# Altium PCB LimeSDR-Micro_M.2_2280_1v1.PcbDoc (part 4 of 9)
Units mm, origin at the board's own origin, x right, y up, seen from the top; angles counter-clockwise.
Board outline 80 x 22 mm, 8 copper layers (Top, L2, L3, L4, L5, L6, L7, Bottom), stack 0.775 mm thick; 678 components, 389 nets, 2376 pads, 871 vias.
Unrouted connection lines stored in the file: 254.
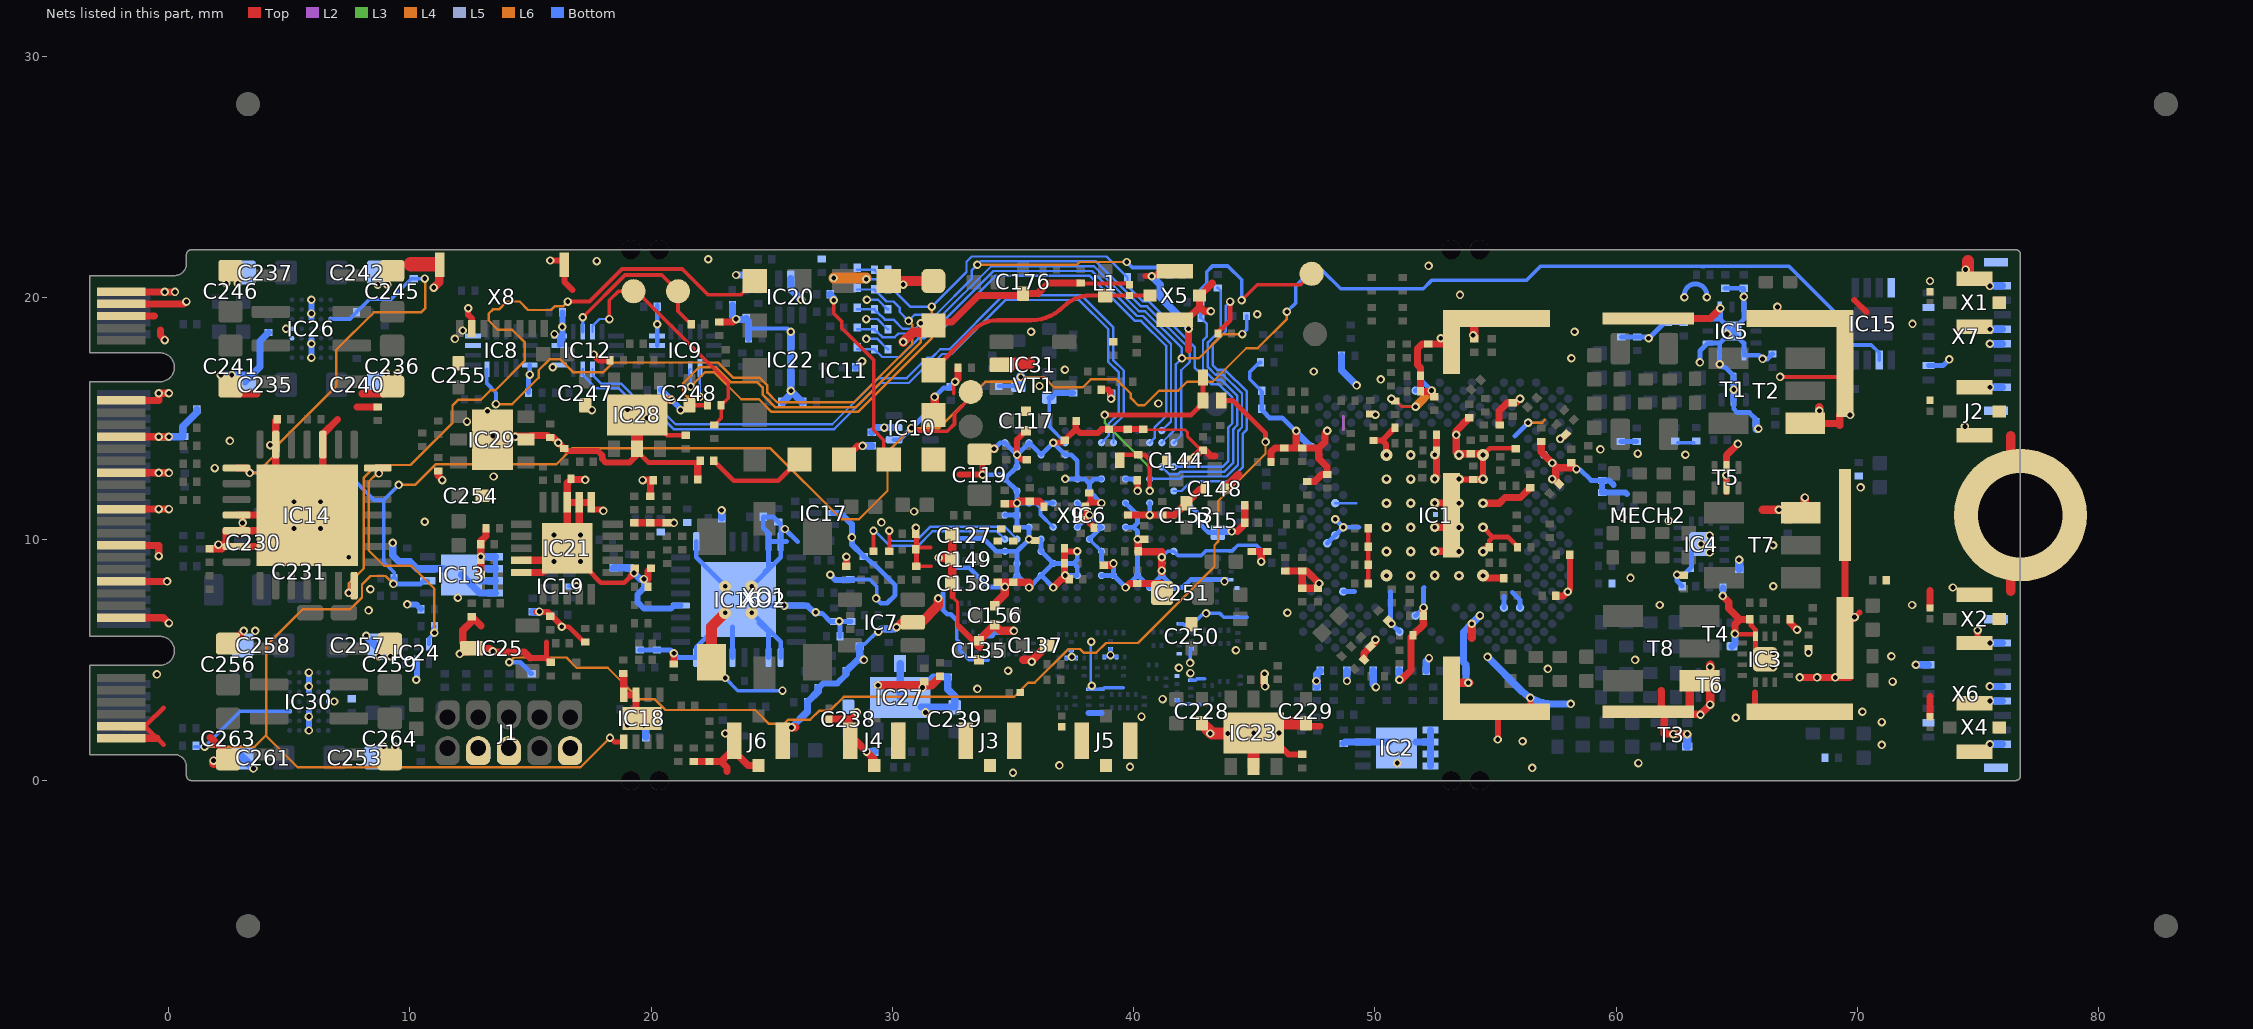
[diagram p10: the nets of this part, all layers, seen from the top]

## Via types
v1: diameter 0.35, hole 0.2, Top to Bottom, tented both sides, 717 vias
v2: diameter 0.35, hole 0.2, L5 to Bottom, tented both sides, 112 vias
v3: diameter 0.4, hole 0.2, Top to Bottom, tented both sides, 30 vias
v4: diameter 0.5, hole 0.2, Top to Bottom, tented both sides, 12 vias

## Nets (pads, with @x,y where several pads share a name; then routed paths per layer and width w, separated by ;. In a path a pad name is that pad's centre, name@x,y a point inside that pad or via, vN(x,y) a via of type N, cw(c..) or ccw(c..) an arc to the next point about the centre after c; other vN are vias at no path point) (continued)
GND: C1.1 C3.2 C4.1 C6.2 C7.1 C9.2 C11.1 C14.2 C16.1 C19.2 C21.1 C24.2 C26.1 C28.2 C29.1 C30.1 C31.2 C32.2 C33.1 C34.1 C35.2 C36.2 C37.2 C38.2 C43.2 C45.2 C46.2 C47.2 C48.2 C49.2 C50.2 C51.2 C52.2 C53.2 C54.2 C55.2 C56.2 C57.1 C58.2 C59.2 C60.2 C61.2 C62.2 C63.2 C64.2 C65.2 C66.2 C67.2 C68.2 C69.2 C70.2 C71.1 C72.2 C73.2 C74.2 C75.2 C76.2 C77.2 C78.1 C79.2 C80.1 C81.1 C82.2 C83.2 C84.2 C85.2 C86.2 C87.2 C88.2 C89.2 C90.2 C91.2 C92.2 C93.2 C94.2 C95.2 C96.2 C97.2 C98.2 C99.2 C100.2 C101.2 C102.2 C103.2 C104.2 C105.2 C106.2 C107.2 C108.2 C109.2 C110.2 C111.2 C115.2 C117.2 C119.1 C120.1 C121.1 C122.1 C123.1 C124.2 C127.1 C128.2 C129.2 C130.1 C131.1 C133.1 C134.2 C135.2 C136.1 C137.1 C138.1 C139.1 C140.1 C141.1 C142.1 C143.1 C144.2 C145.1 C146.1 C147.1 C148.2 C149.1 C150.2 C151.2 C152.1 C153.1 C154.1 C155.1 C156.2 C157.1 C158.1 C159.1 C160.1 C161.1 C162.1 C163.1 C164.2 C165.1 C166.2 C167.2 C168.2 C169.2 C170.2 C171.2 C172.1 C173.2 C174.2 C175.1 C176.1 C177.2 C178.2 C179.2 C180.2 C181.2 C182.1 C183.1 C186.1 C187.2 C188.1 C189.1 C190.1 C193.1 C194.2 C195.2 C196.1 C197.1 C198.2 C199.1 C200.1 C201.1 C202.2 C203.1 C204.2 C205.2 C206.1 C207.1 C208.1 C209.1 C210.2 C213.1 C214.1 C215.2 C216.2 C217.1 C218.1 C221.1 C222.1 C224.1 C225.2 C226.2 C227.1 C228.1 C229.1 C230.1 C231.1 C232.2 C233.2 C234.1 C235.1 C236.1 C237.1 C238.1 C239.1 C240.1 C241.1 C242.1 C243.1 C244.2 C245.1 C246.1 C247.1 C248.1 C249.1 C250.1 C251.1 C252.2 C253.1 C254.1 C255.1 C256.1 C257.1 C258.1 C259.1 C260.1 C261.1 C262.2 C263.1 C264.1 C265.2 C266.2 ESD1.2 ESD2.2 ESD3.2 ESD5.2 ESD6.2 ESD7.2 ESD8.2 ESD9.2 ESD10.2 IC1.AA31 IC1.AF32 IC1.AG29 IC1.AJ7 IC1.AJ9 IC1.AJ19 IC1.AK12 IC1.AK20 IC1.AL13 IC1.AL23 IC1.AM22 IC1.AN25 IC1.B18 IC1.B20 IC1.C7 IC1.C23 IC1.D20 IC1.E25 IC1.F6 IC1.G31 IC1.GND IC1.H2 IC1.J33 IC1.K4 IC1.L3 IC1.N3 IC1.T30 IC1.V30 IC1.W29 IC1.Y30 IC2.1 IC2.2 IC2.3 IC2.4 IC2.7 IC2.PAD IC3.7 IC3.EP IC4.7 IC4.EP IC5.1 IC5.3 IC5.4 IC5.6 IC5.10 IC5.12 IC5.EP IC6.B1 IC6.B3 IC6.B5 IC6.B11 IC6.B13 IC6.B15 IC6.C2 IC6.C4 IC6.C6 IC6.C7 IC6.C9 IC6.C10 IC6.C12 IC6.C14 IC6.D2 IC6.D5 IC6.D6 IC6.D10 IC6.D14 IC6.E1 IC6.E4 IC6.E7 IC6.E9 IC6.E12 IC6.E15 IC6.F3 IC6.F4 IC6.F8 IC6.F12 IC6.G2 IC6.G3 IC6.G5 IC6.G7 IC6.G9 IC6.G11 IC6.H1 IC6.H2 IC6.H8 IC6.H12 IC6.H13 IC6.H14 IC6.H15 IC6.J2 IC6.J3 IC6.J5 IC6.J7 IC6.J9 IC6.J11 IC6.J13 IC6.K2 IC6.K8 IC6.K12 IC6.L1 IC6.L6 IC6.L7 IC6.L9 IC6.L11 IC6.M2 IC6.N2 IC6.N4 IC6.N6 IC6.P1 IC6.P3 IC6.P5 IC7.2 IC8.7 IC8.8 IC8.16 IC9.7 IC9.8 IC10.2 IC11.1 IC11.2 IC11.4 IC11.5 IC11.16 IC12.5 IC12.7 IC12.8 IC13.1 IC13.2 IC13.3 IC13.4 IC13.7 IC13.PAD IC14.3 IC14.6 IC14.11 IC14.12 IC14.13 IC14.PAD IC15.4 IC16.4 IC16.9 IC16.15 IC16.16 IC16.21 IC16.25 IC16.26 IC16.29 IC16.32 IC17.2 IC18.3 IC18.4 IC18.PAD IC19.2 IC20.2 IC21.1 IC21.2 IC21.3 IC21.9 IC21.10 IC21.21 IC22.2 IC22.5 IC23.2 IC23.PAD IC24.2 IC25.3 IC26.A3 IC26.B3 IC26.C1 IC26.C3 IC26.D1 IC26.E3 IC26.F3 IC26.G3 IC27.2 IC27.PAD IC28.2 IC28.PAD IC29.2 IC29.PAD IC30.A3 IC30.B3 IC30.C1 IC30.C3 IC30.D1 IC30.E3 IC30.F3 IC30.G3 IC31.2 J1.3 J1.5 J1.9 J2.2 J3.2 J4.2 J5.2 J6.2 MECH2.1 pad.2@12.84,1.15 pad.2@14.11,1.15 pad.2@16.65,1.15 pad.3 R3.1 R15.1 R17.1 R25.1 R29.2 R32.1 R35.2 R38.2 R40.1 R45.2 R47.1 R52.2 R56.1 R62.2 R63.2 R64.2 R77.1 R85.2 R88.1 R104.2 R105.2 R106.2 R107.2 R108.2 R109.2 R110.2 R111.2 R112.2 R130.2 R131.2 R132.2 R133.2 R134.2 R135.2 R136.2 R137.2 R143.2 R144.1 R146.2 R150.2 R152.2 R163.1 R166.2 R170.2 R172.2 R181.1 R184.2 R185.2 R186.2 R199.2 R200.2 R203.2 R216.2 R219.2 R224.2 T1.2 T1.5 T2.3 T3.1 T4.1 T5.2 T5.5 T6.2 T6.5 T7.1 T8.3 X1.2 X2.2 X4.2 X5.2 X6.1 X6.4 X6.7 X6.9 X6.12 X6.15 X6.MP1 X6.MP2 X7.1 X7.4 X7.7 X7.9 X7.12 X7.15 X7.MP1 X7.MP2 X8.7 X8.MECH X9.MOUNTING-HOLE X9.P1 X9.P3 X9.P21 X9.P27 X9.P33 X9.P39 X9.P45 X9.P51 X9.P57 X9.P71 X9.P73 X9.P75 XO1.2 XO2.2 | length 519
  Top w0.11: C101.2@50.841,15.73 50.866,15.73 51.102,15.494 51.68,15.494 v1(51.683,15.491)
  Top w0.12: C145.1@40.403,14.56 40.428,14.535 42.132,14.535 42.226,14.441 42.226,14.27 C115.2@42.806,13.69
  Top w0.15: C194.2@30.975,9.655 31.595,9.655 ; R88.1@31,8.88 31.62,8.88 ; 32.486,7.62 32.716,7.39 32.716,6.45 ; 32.55,16.025 v1@32.55,16.453
  Top w0.18: C167.2@37.8,20.6 ESD5.2@39.872,20.6 ; v1@66.741,16.675 v1(66.791,16.725) MECH2.1@69.666,16.725
  Top w0.2: X9.P3@-1.95,2.25 -1.875,2.325 -0.917,2.325 ; X9.P3@-1.875,2.175 -0.917,2.175 ; -0.892,2.175 -0.2,1.483 ; -0.892,2.325 -0.2,3.017 ; C256.1@2.475,5.675 C256.1@2.6,5.675 ; R181.1@12.897,8.678 12.912,8.693 ; 15.674,5.075 15.674,5.747 ; v1(16.3,6.375) 16.592,6.375 17.177,5.79 17.225,5.79 C225.2@17.275,5.74 ; IC21.21@17.375,8.75 17.925,8.2 18.887,8.2 19.162,8.475 19.175,8.475 ; IC28.2@19.425,13.65 19.9,13.175 C174.2@21.99,13.175 ; IC28.PAD@20.2,14.775 20.665,14.31 C249.1@21.318,14.31 ; C248.1@21.673,15.55 C169.2@22.345,15.55 ; J4.2@28.25,1.65 28.25,2.55 v1(28.525,2.825) ; IC7.2@30.845,6.55 IC7.2@31.2,6.55 ; R88.1@31,8.88 C195.2@31,10.225 ; C62.2@49.723,8.165 C61.2@49.723,8.935 C64.2@49.723,9.69 C63.2@49.723,10.46 ; v3(54.48,10.49) 54.88,10.09 ; v4@54.538,13.547 54.76,13.77 55.813,13.77 C80.1@55.838,13.745 ; C78.1@54.736,9.675 54.736,9.945 54.88,10.09 ; C86.2@55.906,9.675 55.906,9.7 55.856,9.75 55.516,10.09 54.88,10.09 ; v1@64.916,6.064 IC3.7@65.766,6.064 ; C46.2@65.536,6.675 65.586,6.625 65.586,6.43 65.766,6.25 IC3.7@65.766,6.064 ; IC3.EP@65.766,5.375 IC3.7@65.766,5.977 IC3.7@65.766,6.064
  Top w0.25: X8.MECH@11.17,21.3 X8.MECH@11.232,21.362 ; v1(12.425,19.575) 12.425,19.3 12.575,19.15 X8.7@12.575,18.725 ; C208.1@13.165,10.45 13.165,10.475 C208.1@13.19,10.5 ; 15,5.075 15.674,5.075 ; 15.225,6.975 15.739,6.975 16.3,6.414 v1(16.3,6.375) ; v1(15.825,21.55) X8.MECH@16.405,21.55 ; v4(15.975,10.175) IC21.21@16.525,9.625 ; R172.2@16.4,13.76 16.425,13.76 16.535,13.65 17.803,13.65 17.98,13.473 17.98,13.327 18.132,13.175 19.1,13.175 19.425,13.5 IC28.2@19.425,13.75 ; X8.MECH@16.405,21.375 16.418,21.362 16.418,20.657 16.75,20.325 ; IC21.1@17.525,11.525 17.525,11.25 17.55,11.225 17.948,11.225 17.998,11.175 v1(18.025,11.175) ; C158.1@32.391,8.275 C158.1@32.491,8.175 ; 32.486,7.62 C158.1@32.486,8.175 ; 32.766,6.375 33.641,5.5 ; 32.775,12.675 v1(33.741,12.675) 33.741,13.4 C119.1@33.616,13.525 ; C156.2@34.241,7.25 C156.2@34.241,7.3 ; C117.2@35.541,14.5 35.166,14.125 v1(35.167,13.5) v1(35.167,13.5) 35.372,13.295 C123.1@35.566,13.295 ; v1(36.667,14) 37.011,14 37.116,14.105 C122.1@37.141,14.105 37.166,14.105 37.191,14.13 37.191,14.155 37.601,14.565 37.601,14.88 C121.1@37.621,14.9 ; C143.1@37.136,9.495 37.161,9.52 37.166,9.52 37.186,9.5 v1(37.667,9.5) ; C121.1@37.646,14.95 37.621,14.925 C121.1@37.621,14.9 ; C139.1@37.996,11.35 38.165,11.519 38.216,11.519 ; C139.1@38.021,11.325 38.021,11.173 38.087,11.107 38.042,11.062 38.042,11.006 v1@38.036,11 ; C131.1@38.166,11.92 38.191,11.92 38.216,11.895 38.216,11.519 ; v1(38.167,11) 38.036,10.869 ; C142.1@38.361,10.475 38.036,10.8 38.036,10.869 ; R224.2@38.655,16.2 38.95,16.2 39.059,16.091 v1@39.059,15.823 ; v1@38.694,11.5 v1(38.667,11.5) 38.648,11.519 38.216,11.519 ; v1(40.167,12) C130.1@40.167,12.376 ; C145.1@40.403,14.56 C146.1@39.753,14.56 C147.1@38.978,14.56 38.676,14.56 38.516,14.4 37.781,14.4 37.621,14.56 C121.1@37.621,14.9 ; 40.485,20.9 40.875,20.9 X5.2@41.075,21.1 ; IC23.PAD@45.875,1.625 46.415,1.085 C234.1@46.995,1.085 ; 46.675,2.25 47.745,2.25 ; C54.2@49.94,14.091 50.301,14.091 ; v4(50.48,13.49) 50.461,13.51 50.461,13.931 50.301,14.091 ; C71.1@50.836,14.625 50.836,14.6 50.811,14.575 50.786,14.575 50.301,14.091 ; MECH2.1@53.48,12.47 R35.2@54.066,12.47 ; v3(54.48,12.49) v4(54.48,13.49) ; v1(55.091,1.7) MECH2.1@55.091,2.652 ; MECH2.1@56.441,2.85 v1(56.441,3.425) ; v1(57.991,7.825) 58.091,7.925 58.091,9.305 C106.2@58.046,9.35 ; MECH2.1@65.75,3.075 65.75,3.65 ; pad.3@69.672,6.556 70.079,6.963 ; 69.862,19.913 70.375,19.4 ; X2.2@74.975,5.65 v1(74.975,6.225) ; 38.036,10.869 v1@38.036,11 ; 38.036,10.869 37.947,10.78 37.841,10.78 C162.1@37.816,10.805 37.841,10.805 v1@38.036,11
  Top w0.3: X9.P1@-1.95,1.75 -0.467,1.75 ; X9.P21@-1.95,6.75 -0.2,6.75 v1(0.025,6.525) ; X9.P27@-1.95,8.25 v1(-0.05,8.25) ; X9.P33@-1.95,9.75 -1.942,9.742 -0.4,9.742 v1(-0.4,9.3) ; X9.P39@-1.95,11.25 v1(0.025,11.25) ; X9.P45@-1.95,12.75 v1(0.025,12.75) ; X9.P51@-1.95,14.25 v1(-0.4,14.25) v1(0.025,14.25) ; X9.P57@-1.95,15.75 -0.4,15.75 v1(-0.4,16.05) v1(0.025,16.05) ; X9.P71@-1.95,19.25 X9.P71@-1.925,19.225 ; X9.P73@-1.95,19.75 0.65,19.75 v1(0.75,19.85) ; X9.P75@-1.95,20.25 v1(0.275,20.25) ; X9.P71@-1.925,19.25 -0.575,19.25 ; -0.325,18.675 -0.325,18.438 -0.15,18.263 v1(-0.15,18.25) ; C178.2@1.705,9.61 2.21,9.61 2.3,9.7 IC14.13@2.825,9.7 IC14.PAD@3.755,9.7 ; 1.736,1.789 C263.1@2.386,1.139 ; v1(2.075,9.775) 2.4,9.775 IC14.12@2.4,10.275 ; IC14.12@2.4,10.35 IC14.12@2.825,10.35 IC14.PAD@3.755,10.35 ; C256.1@2.6,5.675 v1(3.125,6.2) ; C241.1@2.75,16.025 3.675,16.025 ; IC14.11@2.825,11 IC14.PAD@3.755,11 ; IC14.12@3.075,10.35 IC14.11@3.075,11 ; IC14.PAD@4.45,12.995 IC14.6@4.45,13.925 4.45,14.905 C179.2@4.515,14.97 ; IC14.PAD@6.4,12.995 6.4,14.35 7.013,14.962 ; 7.827,15.48 R146.2@8.675,15.48 ; 8.02,16.025 C236.1@8.95,16.025 ; R219.2@11.175,12.83 11.175,12.639 11.35,12.464 v1(11.35,12.45) ; v1(12.075,5.25) 12.15,5.325 12.426,5.325 IC25.3@12.576,5.475 13.325,5.475 13.475,5.325 14.75,5.325 15,5.075 ; IC25.3@12.449,5.475 12.2,5.724 12.2,6.226 12.58,6.606 C213.1@12.58,6.79 12.96,6.41 ; R181.1@12.95,8.655 12.945,8.655 C209.1@12.945,9.15 C207.1@12.945,9.8 12.945,9.919 13.165,10.139 C208.1@13.165,10.45 ; IC21.10@14.625,8.625 15.525,8.625 v4(15.975,9.075) ; IC21.9@14.625,9.125 IC21.21@15.975,9.125 ; IC29.2@15,14.3 15.715,14.3 15.8,14.215 C260.1@15.825,14.215 15.945,14.215 16.375,13.785 16.375,13.76 R172.2@16.4,13.76 ; 15.674,5.075 C233.2@15.851,4.898 ; IC21.21@16.525,10.175 IC21.3@16.525,11.525 ; C221.1@16.68,12.5 C221.1@16.68,12.475 ; IC21.21@17.025,10.175 IC21.2@17.025,11.525 ; v1@17.275,12.475 C221.1@16.68,12.475 ; IC21.1@17.525,11.525 IC21.2@17.025,11.525 ; v1(17.625,17.65) 17.85,17.425 R216.2@18.305,17.425 ; R163.1@18.875,4.44 IC18.4@18.875,3.55 IC18.3@19.375,3.55 ; 19.175,8.475 v1(19.3,8.6) ; R184.2@19.3,10.68 20.945,10.68 v1(20.95,10.675) ; IC18.3@19.375,3.5 19.375,2.45 19.45,2.375 IC18.PAD@19.625,2.375 ; v1(19.65,12.45) 19.975,12.45 C224.1@19.975,11.78 ; 19.88,8.35 19.88,8.675 C210.2@20,8.795 ; C205.2@20.95,4.851 v1(20.95,5.275) ; R166.2@21.77,0.785 22.91,0.785 ; C222.1@21.935,12.475 21.935,13.115 22.045,13.225 C174.2@22.045,13.25 ; C170.2@22.825,19.005 23.391,19.005 23.486,19.1 v1@23.5,19.1 ; 23.15,0.375 23.15,0.545 22.91,0.785 ; J6.2@23.45,1.325 J6.2@23.45,1.65 ; J6.2@24.45,0.625 24.025,0.625 23.388,1.263 22.91,0.785 ; ESD8.2@27.35,2.55 28.225,2.55 ; R77.1@28.095,8.885 28.098,8.885 28.098,9.273 v1(28.1,9.275) ; J4.2@28.25,1.65 28.48,1.65 29.25,0.88 J4.2@29.25,0.646 ; IC11.2@31.7,18.85 31.849,18.999 32.474,18.999 33.575,20.1 35.34,20.1 C176.1@35.42,20.18 36.03,20.18 36.47,20.62 C167.2@37.8,20.62 ; v1(32.6,16.525) 32.72,16.645 C265.2@32.72,17.1 ; C159.1@34.366,8.22 C157.1@35.016,8.22 35.666,8.22 ; C120.1@34.666,11.47 35.137,11.47 v1(35.167,11.5) 35.237,11.57 C124.2@35.691,11.57 36.091,11.57 C141.1@36.286,11.375 ; v1(36.667,8) 37.017,8.35 C138.1@37.336,8.35 ; v1@37.136,8.444 R104.2@37.136,8.925 ; R104.2@37.136,9 C143.1@37.136,9.495 ; C151.2@38.766,8.92 39.087,8.92 v1(39.167,9) ; v1(39.667,8) 39.837,8.17 C251.1@41.167,8.17 ; C155.1@39.766,11 v1(40.667,11) C140.1@41.191,11 41.691,11 42.041,11.35 42.091,11.35 42.191,11.45 C153.1@42.191,11.5 42.191,11.55 42.291,11.65 42.341,11.65 42.741,12.05 42.916,12.05 C148.2@42.966,12.1 ; C150.2@40.191,9.48 v1@40.191,9.995 ; C150.2@40.291,9.48 41.167,9.48 v1@41.167,8.625 ; C144.2@42.166,13.275 42.391,13.275 42.806,13.69 C115.2@42.875,13.69 42.96,13.69 43.2,13.45 43.375,13.45 ; 42.275,17.845 42.275,19.175 42.664,19.564 ; v1(43.2,19.45) 42.925,19.45 42.725,19.65 X5.2@42.725,20.1 42.725,20.075 43.254,20.604 ; 44.291,10.325 44.601,10.636 C95.2@44.601,10.691 C94.2@44.601,11.408 ; C97.2@44.891,9.49 C96.2@45.546,9.49 ; v1(45.291,9.075) 45.291,9.412 ; v1@45.41,4.425 45.41,3.94 v1(45.45,3.9) ; R25.1@45.696,13.2 45.696,13.621 45.854,13.779 C59.2@46.246,13.779 C60.2@46.816,13.779 ; C91.2@46.291,8.681 C90.2@46.991,8.681 47.172,8.681 v1(47.687,8.165) 47.489,7.967 C98.2@46.991,7.967 C90.2@46.991,8.671 ; v1(46.741,14.487) 46.741,13.854 C60.2@46.816,13.779 ; C53.2@47.201,12.388 47.504,12.388 47.796,12.68 C52.2@48.016,12.68 48.016,13 47.67,13.346 47.67,13.779 ; v1(48.02,14.492) 48.02,14.479 47.928,14.387 47.928,14.037 47.67,13.779 ; C110.2@49.551,5.01 49.551,5.29 C108.2@49.814,5.552 50.018,5.756 v1(50.018,5.834) ; C72.2@50.539,6.645 v1(50.684,6.5) ; v1@51.091,4.175 51.491,4.575 51.491,5.939 C104.2@51.577,6.025 51.577,6.05 51.602,6.05 52.002,6.45 C58.2@52.002,6.825 v1@52.002,7.138 ; C103.2@52.466,15.905 52.246,16.125 C83.2@51.885,16.125 C84.2@51.885,16.775 51.885,17.106 51.766,17.225 51.766,17.9 51.951,18.085 C55.2@52.216,18.085 MECH2.1@53.175,18.085 ; v3(52.48,9.5) MECH2.1@52.905,9.5 ; v3(52.48,10.5) MECH2.1@52.905,10.5 ; v3(52.48,11.5) MECH2.1@52.905,11.5 ; v3(52.48,12.5) v3@52.576,12.596 ; v3@52.551,12.596 C70.2@52.551,13.678 C69.2@52.551,14.33 ; v3(53.48,13.49) 53.366,13.605 v1(53.366,14.325) 53.366,14.486 C102.2@53.911,15.031 ; v3@53.48,13.545 C111.2@53.966,13.545 v4@54.48,13.545 ; R35.2@54.066,12.47 v3@54.48,12.47 ; v4(54.48,8.49) 54.58,8.39 C85.2@55.333,8.39 ; v3(54.48,9.49) 54.665,9.675 C78.1@54.736,9.675 ; v3(54.48,11.49) 55.156,11.49 55.391,11.725 56.028,11.725 56.093,11.79 56.097,11.79 C57.1@56.44,12.133 ; C109.2@55.141,14.73 55.141,15.3 55.496,15.655 C67.2@55.716,15.655 55.83,15.655 55.999,15.824 v1(56.012,15.824) ; C65.2@56.891,14.045 56.891,13.614 v1(57.344,13.16) 57.491,13.014 57.491,12.433 C66.2@57.636,12.288 ; C77.2@57.496,7.65 57.816,7.65 v1(57.991,7.825) ; 57.616,12.964 58.141,12.964 ; v1@57.714,14.152 C100.2@57.914,14.352 ; C79.2@58.141,13.12 v1(58.353,12.908) ; MECH2.1@61.325,19.15 63.891,19.15 v1(64.316,19.575) ; MECH2.1@61.866,2.975 61.866,3.725 ; MECH2.1@61.991,2.675 61.991,1.925 v1(62.366,1.925) v1(62.941,1.925) ; MECH2.1@63.066,2.75 v1@63.466,2.75 ; v1(63.491,2.725) 63.466,2.725 v1(63.891,3.15) ; v1(64.416,7.65) 64.666,7.4 64.666,7.125 65.116,6.675 ; T5.5@64.566,11.975 T5.5@64.566,12.125 v1(64.566,12.65) T5.2@64.566,12.975 64.566,13.475 v1(65.041,13.95) ; v1(64.916,6.075) 64.916,6.475 65.116,6.675 ; C46.2@65.536,6.675 65.116,6.675 ; C47.2@67.196,6.675 67.196,6.545 v1(67.491,6.25) ; v1@67.625,4.275 pad.3@69.675,4.275 ; v1(67.966,5.3) C50.2@67.966,5.47 ; 68.691,14.8 69.116,14.8 ; 69.266,14.713 MECH2.1@69.266,15.137 ; MECH2.1@69.475,4.725 MECH2.1@69.475,11 ; ESD3.2@73,2.65 73,3.475 ; ESD2.2@73,7.15 73,7.875 ; IC21.3@16.525,11.525 16.525,12.32 C221.1@16.68,12.475 ; IC21.3@16.525,11.525 IC21.2@17.025,11.525 ; C60.2@46.816,13.779 C60.2@46.98,13.779 47.67,13.779
  Top w0.35: v1(4.225,13.9) v1@4.286,13.9 ; v1(11,20.425) 11.232,20.657 X8.MECH@11.232,21.362 ; IC29.PAD@14.218,14.25 IC29.2@14.933,14.25 ; IC28.PAD@20.178,15.775 v1(20.85,15.775) ; v1(23.075,1.95) J6.2@23.375,1.95 ; J6.2@25.525,2.2 v1(25.825,2.2) v1@25.975,2.2 ; v1(29.4,3.95) 31.63,3.95 C134.2@31.975,4.295 ; v1(30.175,6.35) 30.375,6.55 IC7.2@30.845,6.55 ; IC11.4@31.7,15.15 31.75,15.2 v1(31.75,15.9) ; v1(31.925,9.225) C149.1@32.6,9.225 ; C158.1@32.486,8.175 C149.1@32.486,9.05 ; C149.1@32.491,9.175 C127.1@32.491,10.175 ; 33.591,5.575 C135.2@33.591,5.8 C156.2@34.241,6.45 34.491,6.2 v1(35.041,6.2) ; C119.1@33.685,13.75 v1(34.216,13.75) ; C156.2@34.241,7.3 34.667,7.726 v1(34.667,8.025) ; 35.425,5 35.816,5 C137.1@36.416,5.6 ; v1(35.667,8) 35.667,8.195 ; C148.2@43.766,12.1 44.345,12.68 ; MECH2.1@53.302,3.952 53.4,4.05 v1(53.866,4.05) v1@53.916,4.05 ; 54.014,5.925 v1(54.014,6.5) ; C68.2@54.116,18.33 MECH2.1@54.116,19.225 ; MECH2.1@63.041,3.05 T8.3@63.041,3.825 ; v1@63.891,3.2 v1(63.891,4.7) v1@63.891,4.8 ; 66.069,11.225 v1(66.741,11.225) 67.514,11.225 T7.1@67.644,11.095 67.816,11.267 v1(67.816,11.725) ; MECH2.1@66.675,19.462 v1(66.675,19.625) ; T2.3@68.416,15.192 v1(68.416,15.325) v1@68.416,15.475
  Top w0.4: v1@1.875,0.729 v1@1.875,0.8 ; IC11.16@29.897,20.7 IC11.1@31.7,20.7 ; v1(30.45,18.175) 30.85,18.575 31.425,18.575 IC11.2@31.7,18.85 ; IC7.2@31.2,6.55 31.9,7.25 v1@31.9,7.5 ; 76.35,7.852 X9.MOUNTING-HOLE@76.35,10.6 ; 76.35,14.275 76.35,11.527 X9.MOUNTING-HOLE@76.75,11.127
  Top w0.45: XO1.2@22.5,4.9 22.5,6.375 v4(23.075,6.95)
  Top w0.5: IC28.2@19.425,13.75 IC28.PAD@19.425,15.023 ; IC31.2@34.525,17.275 35.675,17.275 ; C228.1@42.825,2.375 43.25,1.95 IC23.PAD@45.775,1.95 ; IC23.2@44.975,0.575 IC23.PAD@44.975,1.176 ; IC23.PAD@45.575,2.275 45.675,2.375 C229.1@47.14,2.375 ; X1.2@74.575,20.775 74.575,21.525
  Top w0.6: 10.05,21.4 X8.MECH@11.12,21.4
  L2 w0.11: 48.686,14.545 48.686,15.093
  L4 w0.11: 48.686,14.545 48.686,15.093 ; 51.136,15.491 v1(51.683,15.491) ; v1@56.46,14.825 56.931,14.825
  L4 w0.35: v1(51.683,15.491) v1(52.349,16.157)
  L5 w0.11: 48.686,14.545 48.686,15.093
  L6 w0.1: v1(56.345,14.825) 56.916,14.825 57.041,14.95
  L6 w0.45: v2(27.575,20.825) v1@28.92,20.825
  Bottom w0.1: v1(28.92,18.3) 29.382,18.3 29.807,17.875 R137.2@29.825,17.875 ; v1(28.92,19.125) 29.382,19.125 29.807,18.7 R132.2@29.825,18.7 ; v1(28.92,20.775) 29.382,20.775 29.807,20.35 R131.2@29.825,20.35 ; v1(28.945,19.925) 29.407,19.925 29.807,19.525 R133.2@29.825,19.525 ; v1@38.226,3.925 38.226,5.735 v1(38.241,5.75)
  Bottom w0.11: IC1.T30@48.353,11.495 49.221,11.495
  Bottom w0.15: IC30.D1@6.625,3.275 v1(6.875,3.275) ; C201.1@18.35,8.74 18.425,8.815 C201.1@18.45,8.815 ; v1(23.075,4.25) 23.6,3.725 v1(25.45,3.725) ; 24.045,18.675 24.104,18.734 25.655,18.734 v1(25.789,18.6) ; C197.1@28.35,8.33 29.065,8.33 29.35,8.045 29.35,7.575 v1(29.325,7.55) ; C187.2@28.65,5.57 28.725,5.645 28.85,5.645 v1@29.403,6.197 ; 32.666,6.64 32.666,5.85 32.796,5.72 C11.1@32.796,5.555 32.796,5.392 33.178,5.01 R32.1@33.491,5.01 ; R32.1@33.566,4.985 33.976,4.985 ; v1(34.667,8.025) IC6.C2@35.154,8.513 ; 36.141,11.35 36.141,11.026 IC6.G5@36.667,10.5 ; C1.1@37.206,5.075 C3.2@37.626,5.075 ; v1@37.416,5.148 R3.1@37.416,5.41 ; C16.1@38.141,3.785 R40.1@38.691,3.785 38.723,3.785 38.786,3.847 39.573,3.847 ; IC6.F8@38.167,10 IC6.E9@38.667,9.5 ; v1(38.167,11) IC6.G9@38.667,10.5 ; C6.2@38.781,5.125 C4.1@39.301,5.125 ; v1@39.041,5.148 R17.1@39.041,5.46 ; IC6.D14@41.167,9 v1(41.167,9.25) 41.417,9.5 IC6.E15@41.667,9.5 41.842,9.325 42.8,9.325 43.005,9.53 R111.2@44.041,9.53 44.094,9.53 44.314,9.75 45.091,9.75 45.291,9.55 v1(45.291,9.075) ; R47.1@41.791,3.34 41.966,3.165 C21.1@42.366,3.165 42.716,3.165 ; R56.1@41.891,6.49 42.051,6.49 42.096,6.445 C26.1@42.403,6.445 42.883,6.925 43.575,6.925 43.73,6.77 R109.2@44.281,6.77 44.696,6.77 ; v1@42.341,4.925 42.341,5.392 42.371,5.423 42.371,5.455 C24.2@42.403,5.455 ; C19.2@42.366,4.155 42.571,4.155 42.641,4.225 42.95,4.225 ; C7.1@45.261,17.325 45.207,17.325 44.816,16.934 44.816,16.626 45.306,16.136 C93.2@45.306,16.1 ; C35.2@62.543,13.995 C33.1@63.214,13.995